# KiCad board PixelWave.kicad_pcb (continued)
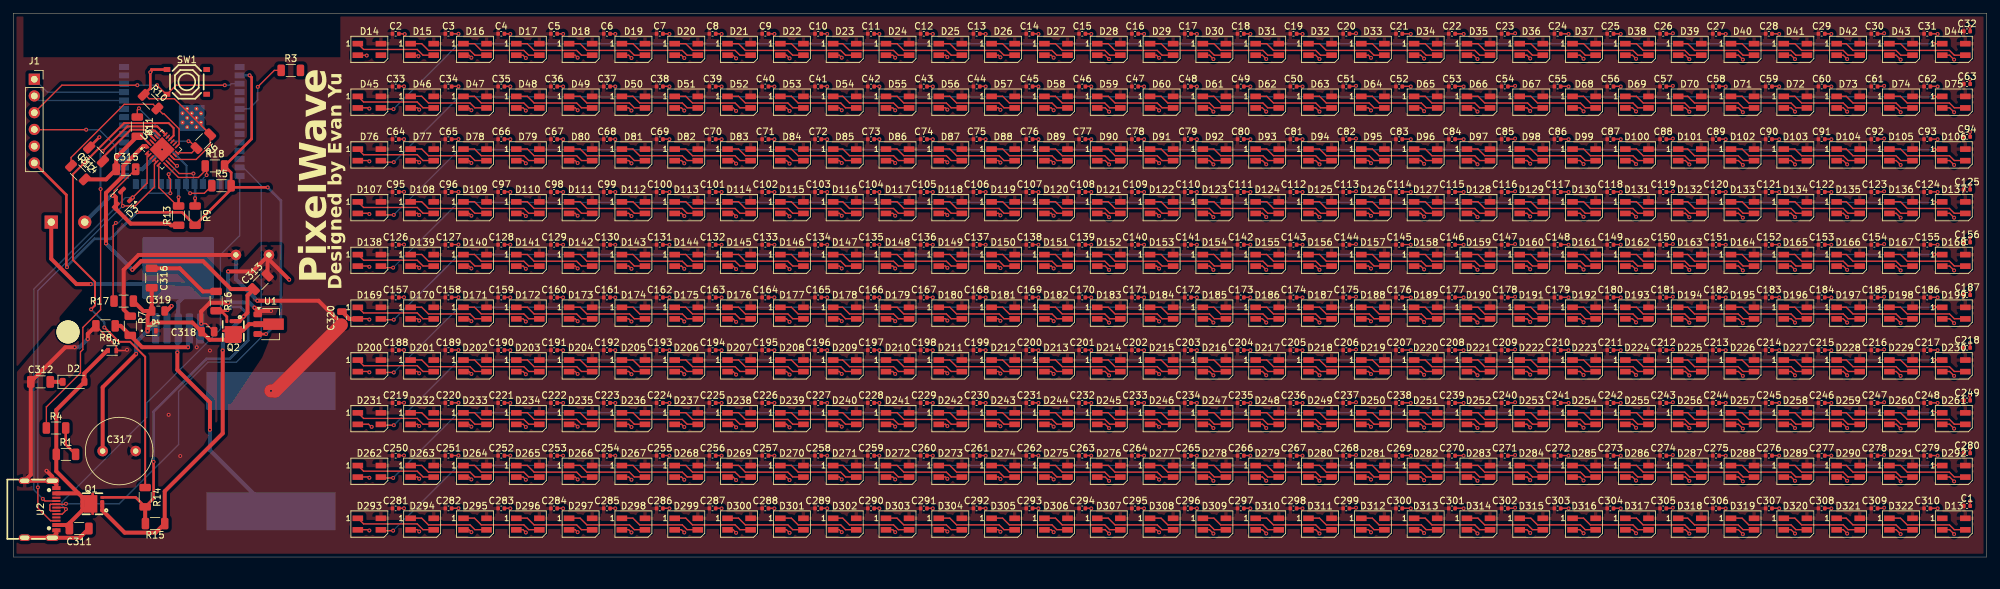
[diagram p0: board, top side]
## Routing (per net, layer and track width the routed paths; a pad name or vN(x,y) marks a point on that pad's centre or on a via; arc(x,y) is an arc through that point)
+2V7: length 14
  Top w0.3: R11.2 19.49,63.82 U5.23
  Top w0.6: R12.2 14.07,57.29 C315.1 15.6,60.62 R11.2
+3V3: length 101.3
  Top w0.4: v1(38.55,56.07) 33.26,56.07 R5.2 ; U1.3 v1(38.3,33.82) ; R5.2 33.01,55.79 R9.2 25.59,52.29 18.84,52.29 v1(18.8,52.32) ; R5.2 33.01,58.32 R18.2 36.11,63.42 36.11,72.76 v1(35.8,73.07) ; v1(8.15,43.98) 8.05,44.07 8.05,54.93 J1.6
  Bottom w0.4: v1(18.8,52.32) 14.75,48.28 12.31,48.28 8.08,44.05 v1(8.15,43.98) ; v1(38.3,33.82) 40.55,36.07 40.55,54.07 v1(38.55,56.07) ; 34.38,73.06 34.38,73.07 v1(35.8,73.07)
+5V: length 62.7
  Top w0.6: C320.1 46.25,38.88 v1(36.99,38.88) ; R7.1 16.74,37.54 16.74,43.57 18.99,45.82 C321.1
  Top w2: 49.69,35.21 39.67,25.2 v1(39.05,25.2)
  Bottom w0.6: v1(36.99,38.88) 33.74,42.13 C321.1
GND: length 999
  Top w0.2: v1(296.4,48.47) 296.43,48.44 296.43,47.77 ; 52.2,12.15 53.83,12.15 v1(53.95,12.02) ; 76.2,60.15 77.23,60.15 v1(77.65,59.73) ; 250.41,63.4 251.32,63.4 v1(251.4,63.47) ; D44.2 293.32,76.12 v1(294,75.45) ; v1(275.4,23.38) 275.38,23.4 274.41,23.4 ; 204.2,52.15 205.28,52.15 v1(205.67,51.75) ; 122.41,47.4 123.27,47.4 v1(123.3,47.37) ; 148.2,12.15 149.23,12.15 v1(149.54,11.84) ; v1(195.3,15.38) 195.28,15.4 194.41,15.4 ; v1(141.5,59.87) 141.23,60.15 140.2,60.15 ; v1(253.89,59.55) 253.29,60.15 252.2,60.15 ; v1(285.9,67.47) 285.23,68.15 284.2,68.15 ; 296.43,7.77 296.43,8.44 v1(296.4,8.47) ; 186.41,63.4 187.38,63.4 v1(187.4,63.37) ; v1(133.6,19.77) 133.23,20.15 132.2,20.15 ; v1(213.72,35.64) 213.2,36.15 212.2,36.15 ; v1(131.2,23.38) 131.18,23.4 130.41,23.4 ; v1(75.3,7.38) 75.27,7.4 74.41,7.4 ; 100.2,36.15 101.23,36.15 v1(101.65,35.73) ; 132.2,60.15 133.23,60.15 v1(133.6,59.77) ; v1(155.3,39.38) 155.27,39.4 154.41,39.4 ; 90.41,55.4 91.17,55.4 v1(91.2,55.37) ; D30.2 181.21,76.12 v1(181.8,75.54) ; 276.2,36.15 277.21,36.15 v1(277.8,35.56) ; 220.2,44.15 221.23,44.15 v1(221.8,43.57) ; v1(117.6,3.67) 117.12,4.15 116.2,4.15 ; 60.2,20.15 61.23,20.15 v1(61.5,19.88) ; 130.41,15.4 131.18,15.4 v1(131.2,15.38) ; 188.2,44.15 189.23,44.15 v1(189.8,43.57) ; 266.41,47.4 267.48,47.4 v1(267.5,47.37) ; v1(294,11.47) 293.32,12.15 292.2,12.15 ; D17.2 77.23,76.12 v1(77.65,75.7) ; D21.2 109.02,76.12 v1(109.5,75.65) ; v1(203.4,47.47) 203.32,47.4 202.41,47.4 ; v1(203.4,15.47) 203.32,15.4 202.41,15.4 ; v1(285.9,27.47) 285.23,28.15 284.2,28.15 ; v1(219.7,79.35) 219.68,79.37 C22.2 ; 274.41,7.4 275.38,7.4 v1(275.4,7.38) ; 228.2,20.15 229.29,20.15 v1(229.79,19.65) ; v1(277.8,67.56) 277.21,68.15 276.2,68.15 ; D20.2 101.23,76.12 v1(101.65,75.7) ; v1(147.3,31.38) 147.27,31.4 146.41,31.4 ; 296.43,23.77 296.43,24.44 v1(296.4,24.47) ; 202.41,31.4 203.32,31.4 v1(203.4,31.47) ; v1(91.2,7.38) 91.17,7.4 90.41,7.4 ; 68.2,28.15 69.02,28.15 v1(69.4,27.77) ; v1(93.65,11.73) 93.23,12.15 92.2,12.15 ; v1(91.2,39.38) 91.17,39.4 90.41,39.4 ; 122.41,39.4 123.27,39.4 v1(123.3,39.38) ; 260.2,4.15 261.32,4.15 v1(262,3.47) ; 236.2,60.15 237.33,60.15 v1(237.87,59.61) ; v1(101.65,11.73) 101.23,12.15 100.2,12.15 ; v1(99.4,31.38) 99.37,31.4 98.41,31.4 ; D39.2 253.29,76.12 v1(253.89,75.53) ; v1(294,35.47) 293.32,36.15 292.2,36.15 ; 76.2,12.15 77.23,12.15 v1(77.65,11.73) ; v1(163.3,15.38) 163.27,15.4 162.41,15.4 ; 122.41,71.4 123.27,71.4 v1(123.3,71.37) ; 180.2,60.15 181.21,60.15 v1(181.8,59.56) ; 266.41,63.4 267.48,63.4 v1(267.5,63.37) ; v1(85.5,27.77) 85.12,28.15 84.2,28.15 ; v1(251.4,55.47) 251.32,55.4 250.41,55.4 ; 132.2,12.15 133.23,12.15 v1(133.6,11.77) ; 276.2,28.15 277.21,28.15 v1(277.8,27.56) ; 276.2,52.15 277.21,52.15 v1(277.8,51.56) ; 82.41,39.4 83.27,39.4 v1(83.3,39.38) ; 116.2,68.15 117.12,68.15 v1(117.6,67.67) ; 124.2,12.15 125.12,12.15 v1(125.5,11.77) ; 148.2,52.15 149.23,52.15 v1(149.54,51.84) ; 100.2,44.15 101.23,44.15 v1(101.65,43.73) ; 132.2,44.15 133.23,44.15 v1(133.6,43.77) ; v1(107.3,7.38) 107.27,7.4 106.41,7.4 ; C7.2 99.37,79.37 v1(99.4,79.35) ; v1(275.4,31.38) 275.38,31.4 274.41,31.4 ; C13.2 147.27,79.37 v1(147.3,79.35) ; v1(53.55,76.07) 53.5,76.12 D14.2 ; 296.43,39.77 296.43,40.44 v1(296.4,40.47) ; v1(195.3,7.38) 195.28,7.4 194.41,7.4 ; 68.2,44.15 69.02,44.15 v1(69.4,43.77) ; v1(99.4,23.38) 99.37,23.4 98.41,23.4 ; v1(203.4,79.45) 203.32,79.37 C20.2 ; 274.41,55.4 275.38,55.4 v1(275.4,55.37) ; v1(243.5,63.37) 243.48,63.4 242.41,63.4 ; v1(173.58,75.73) 173.18,76.12 D29.2 ; v1(125.5,19.77) 125.12,20.15 124.2,20.15 ; 220.2,60.15 221.23,60.15 v1(221.8,59.57) ; v1(229.79,59.65) 229.29,60.15 228.2,60.15 ; C2.2 59.25,79.37 v1(59.3,79.32) ; 210.41,15.4 211.68,15.4 v1(211.7,15.38) ; v1(211.7,23.38) 211.68,23.4 210.41,23.4 ; v1(245.82,11.61) 245.28,12.15 244.2,12.15 ; v1(237.87,75.58) 237.33,76.12 D37.2 ; v1(147.3,55.37) 147.27,55.4 146.41,55.4 ; 84.2,36.15 85.12,36.15 v1(85.5,35.77) ; v1(93.65,3.73) 93.23,4.15 92.2,4.15 ; v1(187.4,39.38) 187.38,39.4 186.41,39.4 ; v1(262,11.47) 261.32,12.15 260.2,12.15 ; v1(77.65,19.73) 77.23,20.15 76.2,20.15 ; 130.41,55.4 131.18,55.4 v1(131.2,55.37) ; C11.2 131.18,79.37 v1(131.2,79.35) ; v1(203.4,7.47) 203.32,7.4 202.41,7.4 ; 90.41,31.4 91.17,31.4 v1(91.2,31.38) ; 132.2,36.15 133.23,36.15 v1(133.6,35.77) ; 52.2,52.15 53.83,52.15 v1(53.95,52.02) ; R10.1 20.02,70.11 20.6,69.52 24.42,69.52 R6.1 ; v1(269.9,43.56) 269.31,44.15 268.2,44.15 ; v1(259.4,23.38) 259.38,23.4 258.41,23.4 ; v1(59.2,39.4) 58.41,39.4 ; v1(253.89,3.55) 253.29,4.15 252.2,4.15 ; 106.41,71.4 107.27,71.4 v1(107.3,71.37) ; v1(221.8,51.57) 221.23,52.15 220.2,52.15 ; 186.41,55.4 187.38,55.4 v1(187.4,55.37) ; v1(285.9,19.47) 285.23,20.15 284.2,20.15 ; 172.2,28.15 173.18,28.15 v1(173.58,27.75) ; v1(109.5,19.67) 109.02,20.15 108.2,20.15 ; v1(117.6,51.67) 117.12,52.15 116.2,52.15 ; v1(163.3,79.35) 163.27,79.37 C15.2 ; 170.41,23.4 171.28,23.4 v1(171.3,23.38) ; 154.41,63.4 155.27,63.4 v1(155.3,63.37) ; C32.2 296.43,80.42 v1(296.4,80.45) ; v1(251.4,47.47) 251.32,47.4 250.41,47.4 ; v1(213.72,27.64) 213.2,28.15 212.2,28.15 ; 132.2,68.15 133.23,68.15 v1(133.6,67.77) ; 268.2,12.15 269.31,12.15 v1(269.9,11.56) ; v1(205.67,27.75) 205.28,28.15 204.2,28.15 ; v1(253.89,43.55) 253.29,44.15 252.2,44.15 ; 274.41,39.4 275.38,39.4 v1(275.4,39.38) ; v1(101.65,19.73) 101.23,20.15 100.2,20.15 ; 186.41,7.4 187.38,7.4 v1(187.4,7.38) ; U5.22 22.2,61.82 v1(22.55,61.82) 22.9,61.82 U5.10 24.42,60.31 27.7,60.31 29.83,62.45 R6.1 ; R6.1 28.52,65.42 28.52,65.91 ; 252.2,12.15 253.29,12.15 v1(253.89,11.55) ; 138.41,55.4 139.27,55.4 v1(139.3,55.37) ; v1(262,51.47) 261.32,52.15 260.2,52.15 ; 244.2,28.15 245.28,28.15 v1(245.82,27.61) ; v1(99.4,55.37) 99.37,55.4 98.41,55.4 ; v1(173.58,43.75) 173.18,44.15 172.2,44.15 ; 106.41,39.4 107.27,39.4 v1(107.3,39.38) ; v1(237.87,67.61) 237.33,68.15 236.2,68.15 ; v1(109.5,67.67) 109.02,68.15 108.2,68.15 ; 290.41,39.4 291.48,39.4 v1(291.5,39.38) ; 68.2,68.15 69.02,68.15 v1(69.4,67.77) ; v1(93.65,51.73) 93.23,52.15 92.2,52.15 ; 68.2,4.15 69.02,4.15 v1(69.4,3.77) ; v1(149.54,67.84) 149.23,68.15 148.2,68.15 ; 172.2,60.15 173.18,60.15 v1(173.58,59.75) ; 84.2,68.15 85.12,68.15 v1(85.5,67.77) ; v1(85.5,3.77) 85.12,4.15 84.2,4.15 ; 90.41,63.4 91.17,63.4 v1(91.2,63.37) ; v1(245.82,35.61) 245.28,36.15 244.2,36.15 ; v1(205.67,3.75) 205.28,4.15 204.2,4.15 ; v1(173.58,3.75) 173.18,4.15 172.2,4.15 ; 290.41,15.4 291.48,15.4 v1(291.5,15.38) ; 116.2,44.15 117.12,44.15 v1(117.6,43.67) ; v1(253.89,35.55) 253.29,36.15 252.2,36.15 ; 178.41,7.4 179.28,7.4 v1(179.3,7.38) ; v1(262,19.47) 261.32,20.15 260.2,20.15 ; v1(141.5,11.88) 141.23,12.15 140.2,12.15 ; 154.41,23.4 155.27,23.4 v1(155.3,23.38) ; 244.2,52.15 245.28,52.15 v1(245.82,51.61) ; 116.2,36.15 117.12,36.15 v1(117.6,35.67) ; 164.2,60.15 165.4,60.15 v1(166,59.56) ; v1(93.65,67.73) 93.23,68.15 92.2,68.15 ; v1(181.8,11.56) 181.21,12.15 180.2,12.15 ; 92.2,20.15 93.23,20.15 v1(93.65,19.73) ; v1(237.87,51.61) 237.33,52.15 236.2,52.15 ; v1(179.3,63.37) 179.28,63.4 178.41,63.4 ; 156.2,12.15 157.23,12.15 v1(157.6,11.78) ; v1(166,11.56) 165.4,12.15 164.2,12.15 ; 276.2,4.15 277.21,4.15 v1(277.8,3.56) ; 154.41,7.4 155.27,7.4 v1(155.3,7.38) ; 196.2,28.15 197.29,28.15 v1(197.87,27.57) ; v1(157.6,43.78) 157.23,44.15 156.2,44.15 ; 228.2,28.15 229.29,28.15 v1(229.79,27.65) ; 180.2,44.15 181.21,44.15 v1(181.8,43.56) ; v1(205.67,59.75) 205.28,60.15 204.2,60.15 ; 146.41,71.4 147.27,71.4 v1(147.3,71.37) ; v1(245.82,75.58) 245.28,76.12 D38.2 ; v1(83.3,7.38) 83.27,7.4 82.41,7.4 ; v1(155.3,71.37) 155.27,71.4 154.41,71.4 ; v1(166,51.56) 165.4,52.15 164.2,52.15 ; 76.2,28.15 77.23,28.15 v1(77.65,27.73) ; 188.2,68.15 189.23,68.15 v1(189.8,67.57) ; v1(181.8,67.56) 181.21,68.15 180.2,68.15 ; v1(139.3,79.35) 139.27,79.37 C12.2 ; v1(227.5,71.47) 227.43,71.4 226.41,71.4 ; v1(157.6,35.78) 157.23,36.15 156.2,36.15 ; 146.41,15.4 147.27,15.4 v1(147.3,15.38) ; C24.2 235.57,79.37 v1(235.6,79.35) ; 180.2,4.15 181.21,4.15 v1(181.8,3.56) ; v1(83.3,15.38) 83.27,15.4 82.41,15.4 ; v1(197.87,75.54) 197.29,76.12 D32.2 ; v1(131.2,7.38) 131.18,7.4 130.41,7.4 ; v1(181.8,51.56) 181.21,52.15 180.2,52.15 ; v1(93.65,43.73) 93.23,44.15 92.2,44.15 ; 276.2,60.15 277.21,60.15 v1(277.8,59.56) ; 156.2,52.15 157.23,52.15 v1(157.6,51.78) ; v1(262,27.47) 261.32,28.15 260.2,28.15 ; 170.41,47.4 171.28,47.4 v1(171.3,47.37) ; 218.41,23.4 219.68,23.4 v1(219.7,23.38) ; v1(139.3,15.38) 139.27,15.4 138.41,15.4 ; v1(275.4,15.38) 275.38,15.4 274.41,15.4 ; 74.41,47.4 75.27,47.4 v1(75.3,47.37) ; v1(77.65,51.73) 77.23,52.15 76.2,52.15 ; 130.41,71.4 131.18,71.4 v1(131.2,71.37) ; 244.2,68.15 245.28,68.15 v1(245.82,67.61) ; v1(93.65,59.73) 93.23,60.15 92.2,60.15 ; v1(125.5,27.77) 125.12,28.15 124.2,28.15 ; 140.2,28.15 141.23,28.15 v1(141.5,27.88) ; v1(93.65,75.7) 93.23,76.12 D19.2 ; v1(163.3,7.38) 163.27,7.4 162.41,7.4 ; v1(166,35.56) 165.4,36.15 164.2,36.15 ; v1(166,67.56) 165.4,68.15 164.2,68.15 ; v1(229.79,67.65) 229.29,68.15 228.2,68.15 ; v1(155.3,15.38) 155.27,15.4 154.41,15.4 ; v1(221.8,75.55) 221.23,76.12 D35.2 ; 188.2,52.15 189.23,52.15 v1(189.8,51.57) ; v1(221.8,27.57) 221.23,28.15 220.2,28.15 ; v1(221.8,11.57) 221.23,12.15 220.2,12.15 ; v1(163.3,71.37) 163.27,71.4 162.41,71.4 ; v1(139.3,23.38) 139.27,23.4 138.41,23.4 ; 92.2,36.15 93.23,36.15 v1(93.65,35.73) ; 290.41,63.4 291.48,63.4 v1(291.5,63.37) ; v1(28.48,35.41) 29.21,35.41 C318.2 ; v1(109.5,11.67) 109.02,12.15 108.2,12.15 ; v1(85.5,19.77) 85.12,20.15 84.2,20.15 ; v1(173.58,51.75) 173.18,52.15 172.2,52.15 ; D42.2 277.21,76.12 v1(277.8,75.54) ; v1(294,3.47) 293.32,4.15 292.2,4.15 ; 52.2,4.15 53.83,4.15 v1(53.95,4.02) ; 196.2,36.15 197.29,36.15 v1(197.87,35.57) ; v1(93.65,27.73) 93.23,28.15 92.2,28.15 ; 226.41,7.4 227.43,7.4 v1(227.5,7.47) ; D40.2 261.32,76.12 v1(262,75.45) ; 68.2,20.15 69.02,20.15 v1(69.4,19.77) ; 146.41,7.4 147.27,7.4 v1(147.3,7.38) ; 164.2,44.15 165.4,44.15 v1(166,43.56) ; v1(115.3,63.37) 115.27,63.4 114.41,63.4 ; D28.2 165.4,76.12 v1(166,75.53) ; 284.2,52.15 285.23,52.15 v1(285.9,51.47) ; D15.2 61.23,76.12 v1(61.38,75.97) ; v1(219.7,63.37) 219.68,63.4 218.41,63.4 ; 170.41,55.4 171.28,55.4 v1(171.3,55.37) ; v1(197.87,11.57) 197.29,12.15 196.2,12.15 ; 170.41,39.4 171.28,39.4 v1(171.3,39.38) ; v1(253.89,67.55) 253.29,68.15 252.2,68.15 ; v1(296.4,16.47) 296.43,16.44 296.43,15.77 ; C26.2 251.32,79.37 v1(251.4,79.45) ; 250.41,15.4 251.32,15.4 v1(251.4,15.47) ; v1(227.5,47.47) 227.43,47.4 226.41,47.4 ; D31.2 189.23,76.12 v1(189.8,75.55) ; 218.41,55.4 219.68,55.4 v1(219.7,55.37) ; 236.2,44.15 237.33,44.15 v1(237.87,43.61) ; v1(195.3,79.35) 195.28,79.37 C19.2 ; v1(253.89,51.55) 253.29,52.15 252.2,52.15 ; v1(227.5,15.47) 227.43,15.4 226.41,15.4 ; v1(275.4,47.37) 275.38,47.4 274.41,47.4 ; v1(107.3,55.37) 107.27,55.4 106.41,55.4 ; v1(59.2,63.4) 58.41,63.4 ; 202.41,63.4 203.32,63.4 v1(203.4,63.47) ; v1(157.6,75.75) 157.23,76.12 D27.2 ; v1(267.5,71.37) 267.48,71.4 266.41,71.4 ; 210.41,71.4 211.68,71.4 v1(211.7,71.37) ; v1(205.67,19.75) 205.28,20.15 204.2,20.15 ; v1(67.45,23.4) 66.41,23.4 ; v1(221.8,3.57) 221.23,4.15 220.2,4.15 ; D23.2 125.12,76.12 v1(125.5,75.75) ; v1(189.8,27.57) 189.23,28.15 188.2,28.15 ; 116.2,28.15 117.12,28.15 v1(117.6,27.67) ; v1(99.4,63.37) 99.37,63.4 98.41,63.4 ; 148.2,28.15 149.23,28.15 v1(149.54,27.84) ; v1(291.5,23.38) 291.48,23.4 290.41,23.4 ; v1(259.4,39.38) 259.38,39.4 258.41,39.4 ; v1(285.9,11.47) 285.23,12.15 284.2,12.15 ; 148.2,20.15 149.23,20.15 v1(149.54,19.84) ; D25.2 141.23,76.12 v1(141.5,75.85) ; v1(179.3,55.37) 179.28,55.4 178.41,55.4 ; 284.2,60.15 285.23,60.15 v1(285.9,59.47) ; 122.41,23.4 123.27,23.4 v1(123.3,23.38) ; v1(141.5,3.88) 141.23,4.15 140.2,4.15 ; v1(285.9,3.47) 285.23,4.15 284.2,4.15 ; v1(54.3,19.75) 54.23,19.75 53.83,20.15 52.2,20.15 ; v1(277.8,11.56) 277.21,12.15 276.2,12.15 ; 186.41,47.4 187.38,47.4 v1(187.4,47.37) ; 106.41,31.4 107.27,31.4 v1(107.3,31.38) ; 296.43,55.77 296.43,56.44 v1(296.4,56.47) ; v1(219.7,39.38) 219.68,39.4 218.41,39.4 ; 180.2,28.15 181.21,28.15 v1(181.8,27.56) ; 234.41,63.4 235.57,63.4 v1(235.6,63.37) ; v1(285.9,43.47) 285.23,44.15 284.2,44.15 ; v1(61.5,27.88) 61.23,28.15 60.2,28.15 ; 138.41,7.4 139.27,7.4 v1(139.3,7.38) ; 276.2,44.15 277.21,44.15 v1(277.8,43.56) ; 74.41,23.4 75.27,23.4 v1(75.3,23.38) ; v1(139.3,63.37) 139.27,63.4 138.41,63.4 ; 178.41,71.4 179.28,71.4 v1(179.3,71.37) ; v1(197.87,19.57) 197.29,20.15 196.2,20.15 ; 242.41,55.4 243.48,55.4 v1(243.5,55.37) ; 242.41,31.4 243.48,31.4 v1(243.5,31.38) ; v1(259.4,79.35) 259.38,79.37 C27.2 ; 98.41,47.4 99.37,47.4 v1(99.4,47.37) ; 132.2,28.15 133.23,28.15 v1(133.6,27.77) ; 210.41,63.4 211.68,63.4 v1(211.7,63.37) ; v1(147.3,47.37) 147.27,47.4 146.41,47.4 ; v1(123.3,63.37) 123.27,63.4 122.41,63.4 ; 114.41,15.4 115.27,15.4 v1(115.3,15.38) ; 194.41,47.4 195.28,47.4 v1(195.3,47.37) ; 130.41,47.4 131.18,47.4 v1(131.2,47.37) ; 52.2,44.15 53.83,44.15 v1(53.95,44.02) ; v1(109.5,27.67) 109.02,28.15 108.2,28.15 ; v1(296.4,72.47) 296.43,72.44 296.43,71.77 ; v1(187.4,79.35) 187.38,79.37 C18.2 ; 218.41,31.4 219.68,31.4 v1(219.7,31.38) ; v1(157.6,67.78) 157.23,68.15 156.2,68.15 ; v1(171.3,31.38) 171.28,31.4 170.41,31.4 ; v1(283.4,79.45) 283.32,79.37 C30.2 ; v1(61.5,3.88) 61.23,4.15 60.2,4.15 ; v1(155.3,55.37) 155.27,55.4 154.41,55.4 ; v1(294,27.47) 293.32,28.15 292.2,28.15 ; v1(107.3,15.38) 107.27,15.4 106.41,15.4 ; v1(61.5,43.88) 61.23,44.15 60.2,44.15 ; 138.41,39.4 139.27,39.4 v1(139.3,39.38) ; v1(237.87,19.61) 237.33,20.15 236.2,20.15 ; 82.41,31.4 83.27,31.4 v1(83.3,31.38) ; v1(115.3,55.37) 115.27,55.4 114.41,55.4 ; 218.41,15.4 219.68,15.4 v1(219.7,15.38) ; v1(203.4,39.47) 203.32,39.4 202.41,39.4 ; v1(253.89,19.55) 253.29,20.15 252.2,20.15 ; v1(18.55,58.82) 15.3,55.57 15.3,54.9 15.37,54.82 v1(15.05,54.82) ; 90.41,23.4 91.17,23.4 v1(91.2,23.38) ; v1(267.5,7.38) 267.48,7.4 266.41,7.4 ; 114.41,7.4 115.27,7.4 v1(115.3,7.38) ; 218.41,7.4 219.68,7.4 v1(219.7,7.38) ; 124.2,52.15 125.12,52.15 v1(125.5,51.77) ; 260.2,68.15 261.32,68.15 v1(262,67.47) ; v1(69.4,51.77) 69.02,52.15 68.2,52.15 ; 234.41,71.4 235.57,71.4 v1(235.6,71.37) ; 74.41,31.4 75.27,31.4 v1(75.3,31.38) ; 132.2,52.15 133.23,52.15 v1(133.6,51.77) ; v1(75.3,15.38) 75.27,15.4 74.41,15.4 ; v1(283.4,7.47) 283.32,7.4 282.41,7.4 ; 108.2,60.15 109.02,60.15 v1(109.5,59.67) ; v1(123.3,7.38) 123.27,7.4 122.41,7.4 ; 156.2,4.15 157.23,4.15 v1(157.6,3.78) ; v1(269.9,59.56) 269.31,60.15 268.2,60.15 ; 212.2,12.15 213.2,12.15 v1(213.72,11.64) ; v1(291.5,31.38) 291.48,31.4 290.41,31.4 ; C14.2 155.27,79.37 v1(155.3,79.35) ; 290.41,55.4 291.48,55.4 v1(291.5,55.37) ; v1(181.8,35.56) 181.21,36.15 180.2,36.15 ; 290.41,47.4 291.48,47.4 v1(291.5,47.37) ; 250.41,71.4 251.32,71.4 v1(251.4,71.47) ; v1(197.87,59.57) 197.29,60.15 196.2,60.15 ; v1(269.9,27.56) 269.31,28.15 268.2,28.15 ; 100.2,60.15 101.23,60.15 v1(101.65,59.73) ; v1(262,59.47) 261.32,60.15 260.2,60.15 ; 204.2,36.15 205.28,36.15 v1(205.67,35.75) ; v1(147.3,63.37) 147.27,63.4 146.41,63.4 ; v1(259.4,31.38) 259.38,31.4 258.41,31.4 ; 148.2,44.15 149.23,44.15 v1(149.54,43.84) ; v1(99.4,39.38) 99.37,39.4 98.41,39.4 ; v1(133.6,3.77) 133.23,4.15 132.2,4.15 ; v1(211.7,79.35) 211.68,79.37 C21.2 ; 154.41,47.4 155.27,47.4 v1(155.3,47.37) ; v1(269.9,19.56) 269.31,20.15 268.2,20.15 ; 234.41,55.4 235.57,55.4 v1(235.6,55.37) ; v1(59.2,71.4) 58.41,71.4 ; v1(237.87,3.61) 237.33,4.15 236.2,4.15 ; 210.41,31.4 211.68,31.4 v1(211.7,31.38) ; 140.2,68.15 141.23,68.15 v1(141.5,67.87) ; 234.41,31.4 235.57,31.4 v1(235.6,31.38) ; v1(171.3,15.38) 171.28,15.4 170.41,15.4 ; 178.41,23.4 179.28,23.4 v1(179.3,23.38) ; v1(283.4,71.47) 283.32,71.4 282.41,71.4 ; v1(77.65,35.73) 77.23,36.15 76.2,36.15 ; 290.41,7.4 291.48,7.4 v1(291.5,7.38) ; v1(163.3,23.38) 163.27,23.4 162.41,23.4 ; v1(245.82,19.61) 245.28,20.15 244.2,20.15 ; C31.2 291.48,79.37 v1(291.5,79.35) ; v1(131.2,39.38) 131.18,39.4 130.41,39.4 ; v1(219.7,71.37) 219.68,71.4 218.41,71.4 ; v1(269.9,75.54) 269.31,76.12 D41.2 ; 90.41,15.4 91.17,15.4 v1(91.2,15.38) ; 116.2,12.15 117.12,12.15 v1(117.6,11.67) ; v1(59.2,47.4) 58.41,47.4 ; 242.41,39.4 243.48,39.4 v1(243.5,39.38) ; v1(115.3,39.38) 115.27,39.4 114.41,39.4 ; v1(109.5,35.67) 109.02,36.15 108.2,36.15 ; v1(69.4,11.77) 69.02,12.15 68.2,12.15 ; 292.2,20.15 293.32,20.15 v1(294,19.47) ; v1(117.6,59.67) 117.12,60.15 116.2,60.15 ; v1(205.67,11.75) 205.28,12.15 204.2,12.15 ; 228.2,12.15 229.29,12.15 v1(229.79,11.65) ; v1(107.3,63.37) 107.27,63.4 106.41,63.4 ; v1(173.58,67.75) 173.18,68.15 172.2,68.15 ; 178.41,39.4 179.28,39.4 v1(179.3,39.38) ; 90.41,47.4 91.17,47.4 v1(91.2,47.37) ; 258.41,47.4 259.38,47.4 v1(259.4,47.37) ; v1(275.4,63.37) 275.38,63.4 274.41,63.4 ; v1(294,67.47) 293.32,68.15 292.2,68.15 ; 218.41,47.4 219.68,47.4 v1(219.7,47.37) ; 178.41,47.4 179.28,47.4 v1(179.3,47.37) ; 106.41,23.4 107.27,23.4 v1(107.3,23.38) ; v1(83.3,63.37) 83.27,63.4 82.41,63.4 ; v1(99.4,7.38) 99.37,7.4 98.41,7.4 ; 226.41,63.4 227.43,63.4 v1(227.5,63.47) ; 74.41,71.4 75.27,71.4 v1(75.3,71.37) ; v1(173.58,11.75) 173.18,12.15 172.2,12.15 ; v1(275.4,79.35) 275.38,79.37 C29.2 ; 100.2,68.15 101.23,68.15 v1(101.65,67.73) ; v1(251.4,39.47) 251.32,39.4 250.41,39.4 ; 242.41,23.4 243.48,23.4 v1(243.5,23.38) ; 100.2,52.15 101.23,52.15 v1(101.65,51.73) ; 220.2,68.15 221.23,68.15 v1(221.8,67.57) ; v1(213.72,3.64) 213.2,4.15 212.2,4.15 ; v1(75.3,55.37) 75.27,55.4 74.41,55.4 ; 68.2,60.15 69.02,60.15 v1(69.4,59.77) ; 266.41,55.4 267.48,55.4 v1(267.5,55.37) ; v1(277.8,19.56) 277.21,20.15 276.2,20.15 ; 162.41,47.4 163.27,47.4 v1(163.3,47.37) ; 228.2,52.15 229.29,52.15 v1(229.79,51.65) ; 202.41,71.4 203.32,71.4 v1(203.4,71.47) ; v1(163.3,39.38) 163.27,39.4 162.41,39.4 ; v1(213.72,75.61) 213.2,76.12 D34.2 ; 90.41,71.4 91.17,71.4 v1(91.2,71.37) ; 82.41,71.4 83.27,71.4 v1(83.3,71.37) ; v1(67.45,63.4) 66.41,63.4 ; D26.2 149.23,76.12 v1(149.54,75.81) ; v1(221.8,35.57) 221.23,36.15 220.2,36.15 ; v1(269.9,35.56) 269.31,36.15 268.2,36.15 ; v1(171.3,63.37) 171.28,63.4 170.41,63.4 ; v1(101.65,27.73) 101.23,28.15 100.2,28.15 ; v1(125.5,3.77) 125.12,4.15 124.2,4.15 ; v1(157.6,27.78) 157.23,28.15 156.2,28.15 ; 282.41,15.4 283.32,15.4 v1(283.4,15.47) ; v1(83.3,47.37) 83.27,47.4 82.41,47.4 ; v1(139.3,31.38) 139.27,31.4 138.41,31.4 ; 292.2,52.15 293.32,52.15 v1(294,51.47) ; 140.2,20.15 141.23,20.15 v1(141.5,19.88) ; v1(211.7,7.38) 211.68,7.4 210.41,7.4 ; v1(173.58,19.75) 173.18,20.15 172.2,20.15 ; 162.41,31.4 163.27,31.4 v1(163.3,31.38) ; 252.2,28.15 253.29,28.15 v1(253.89,27.55) ; v1(213.72,59.64) 213.2,60.15 212.2,60.15 ; v1(59.2,55.4) 58.41,55.4 ; v1(243.5,15.38) 243.48,15.4 242.41,15.4 ; 250.41,23.4 251.32,23.4 v1(251.4,23.47) ; 188.2,12.15 189.23,12.15 v1(189.8,11.57) ; v1(109.5,3.67) 109.02,4.15 108.2,4.15 ; 122.41,55.4 123.27,55.4 v1(123.3,55.37) ; 194.41,23.4 195.28,23.4 v1(195.3,23.38) ; 114.41,47.4 115.27,47.4 v1(115.3,47.37) ; 114.41,23.4 115.27,23.4 v1(115.3,23.38) ; v1(171.3,7.38) 171.28,7.4 170.41,7.4 ; C9.2 115.27,79.37 v1(115.3,79.35) ; v1(67.45,47.4) 66.41,47.4 ; 282.41,23.4 283.32,23.4 v1(283.4,23.47) ; v1(189.8,19.57) 189.23,20.15 188.2,20.15 ; 154.41,31.4 155.27,31.4 v1(155.3,31.38) ; D36.2 229.29,76.12 v1(229.79,75.63) ; v1(131.2,31.38) 131.18,31.4 130.41,31.4 ; 282.41,31.4 283.32,31.4 v1(283.4,31.47) ; v1(117.6,75.65) 117.12,76.12 D22.2 ; v1(85.5,43.77) 85.12,44.15 84.2,44.15 ; 296.43,31.77 296.43,32.44 v1(296.4,32.47) ; 242.41,7.4 243.48,7.4 v1(243.5,7.38) ; v1(123.3,79.35) 123.27,79.37 C10.2 ; v1(237.87,35.61) 237.33,36.15 236.2,36.15 ; 140.2,36.15 141.23,36.15 v1(141.5,35.88) ; v1(115.3,71.37) 115.27,71.4 114.41,71.4 ; v1(296.4,64.47) 296.43,64.44 296.43,63.77 ; 204.2,44.15 205.28,44.15 v1(205.67,43.75) ; 84.2,52.15 85.12,52.15 v1(85.5,51.77) ; v1(117.6,19.67) 117.12,20.15 116.2,20.15 ; v1(163.3,63.37) 163.27,63.4 162.41,63.4 ; 148.2,36.15 149.23,36.15 v1(149.54,35.84) ; v1(131.2,63.37) 131.18,63.4 130.41,63.4 ; v1(205.67,67.75) 205.28,68.15 204.2,68.15 ; v1(147.3,39.38) 147.27,39.4 146.41,39.4 ; C6.2 91.17,79.37 v1(91.2,79.35) ; 266.41,31.4 267.48,31.4 v1(267.5,31.38) ; v1(115.3,31.38) 115.27,31.4 114.41,31.4 ; v1(237.87,27.61) 237.33,28.15 236.2,28.15 ; v1(99.4,15.38) 99.37,15.4 98.41,15.4 ; v1(101.65,3.73) 101.23,4.15 100.2,4.15 ; v1(262,35.47) 261.32,36.15 260.2,36.15 ; 138.41,71.4 139.27,71.4 v1(139.3,71.37) ; 60.2,60.15 61.23,60.15 v1(61.5,59.88) ; 196.2,44.15 197.29,44.15 v1(197.87,43.57) ; v1(195.3,31.38) 195.28,31.4 194.41,31.4 ; 242.41,71.4 243.48,71.4 v1(243.5,71.37) ; v1(283.4,55.47) 283.32,55.4 282.41,55.4 ; 282.41,63.4 283.32,63.4 v1(283.4,63.47) ; 108.2,52.15 109.02,52.15 v1(109.5,51.67) ; v1(267.5,15.38) 267.48,15.4 266.41,15.4 ; 202.41,23.4 203.32,23.4 v1(203.4,23.47) ; 250.41,31.4 251.32,31.4 v1(251.4,31.47) ; 162.41,55.4 163.27,55.4 v1(163.3,55.37) ; 156.2,20.15 157.23,20.15 v1(157.6,19.78) ; 82.41,55.4 83.27,55.4 v1(83.3,55.37) ; v1(85.5,11.77) 85.12,12.15 84.2,12.15 ; 178.41,31.4 179.28,31.4 v1(179.3,31.38) ; 164.2,28.15 165.4,28.15 v1(166,27.56) ; v1(285.9,75.45) 285.23,76.12 D43.2 ; 82.41,23.4 83.27,23.4 v1(83.3,23.38) ; v1(229.79,35.65) 229.29,36.15 228.2,36.15 ; 124.2,44.15 125.12,44.15 v1(125.5,43.77) ; C28.2 267.48,79.37 v1(267.5,79.35) ; v1(125.5,35.77) 125.12,36.15 124.2,36.15 ; 210.41,47.4 211.68,47.4 v1(211.7,47.37) ; 186.41,71.4 187.38,71.4 v1(187.4,71.37) ; D24.2 133.23,76.12 v1(133.6,75.75) ; 106.41,47.4 107.27,47.4 v1(107.3,47.37) ; v1(83.3,79.35) 83.27,79.37 C5.2 ; 172.2,36.15 173.18,36.15 v1(173.58,35.75) ; v1(197.87,51.57) 197.29,52.15 196.2,52.15 ; v1(75.3,79.35) 75.27,79.37 C4.2 ; v1(227.5,55.47) 227.43,55.4 226.41,55.4 ; 138.41,47.4 139.27,47.4 v1(139.3,47.37) ; v1(141.5,51.87) 141.23,52.15 140.2,52.15 ; 52.2,60.15 53.83,60.15 v1(53.95,60.02) ; v1(235.6,7.38) 235.57,7.4 234.41,7.4 ; 196.2,4.15 197.29,4.15 v1(197.87,3.57) ; 76.2,44.15 77.23,44.15 v1(77.65,43.73) ; C17.2 179.28,79.37 v1(179.3,79.35) ; v1(157.6,59.78) 157.23,60.15 156.2,60.15 ; 268.2,52.15 269.31,52.15 v1(269.9,51.56) ; v1(149.54,59.84) 149.23,60.15 148.2,60.15 ; v1(259.4,7.38) 259.38,7.4 258.41,7.4 ; 282.41,39.4 283.32,39.4 v1(283.4,39.47) ; v1(109.5,43.67) 109.02,44.15 108.2,44.15 ; v1(61.5,51.88) 61.23,52.15 60.2,52.15 ; v1(213.72,19.64) 213.2,20.15 212.2,20.15 ; v1(125.5,59.77) 125.12,60.15 124.2,60.15 ; 268.2,68.15 269.31,68.15 v1(269.9,67.56) ; v1(189.8,59.57) 189.23,60.15 188.2,60.15 ; 178.41,15.4 179.28,15.4 v1(179.3,15.38) ; v1(235.6,23.38) 235.57,23.4 234.41,23.4 ; 74.41,39.4 75.27,39.4 v1(75.3,39.38) ; v1(229.79,3.65) 229.29,4.15 228.2,4.15 ; v1(221.8,19.57) 221.23,20.15 220.2,20.15 ; v1(259.4,71.37) 259.38,71.4 258.41,71.4 ; v1(259.4,63.37) 259.38,63.4 258.41,63.4 ; v1(69.4,75.75) 69.02,76.12 D16.2 ; 274.41,71.4 275.38,71.4 v1(275.4,71.37) ; v1(77.65,67.73) 77.23,68.15 76.2,68.15 ; 266.41,23.4 267.48,23.4 v1(267.5,23.38) ; 284.2,36.15 285.23,36.15 v1(285.9,35.47) ; 234.41,47.4 235.57,47.4 v1(235.6,47.37) ; 212.2,44.15 213.2,44.15 v1(213.72,43.64) ; 244.2,44.15 245.28,44.15 v1(245.82,43.61) ; 260.2,44.15 261.32,44.15 v1(262,43.47) ; v1(147.3,23.38) 147.27,23.4 146.41,23.4 ; v1(237.87,11.61) 237.33,12.15 236.2,12.15 ; 234.41,15.4 235.57,15.4 v1(235.6,15.38) ; v1(195.3,63.37) 195.28,63.4 194.41,63.4 ; 180.2,20.15 181.21,20.15 v1(181.8,19.56) ; 60.2,12.15 61.23,12.15 v1(61.5,11.88) ; v1(61.5,35.88) 61.23,36.15 60.2,36.15 ; v1(213.72,67.64) 213.2,68.15 212.2,68.15 ; 234.41,39.4 235.57,39.4 v1(235.6,39.38) ; v1(227.5,79.45) 227.43,79.37 C23.2 ; v1(283.4,47.47) 283.32,47.4 282.41,47.4 ; 266.41,39.4 267.48,39.4 v1(267.5,39.38) ; v1(85.5,59.77) 85.12,60.15 84.2,60.15 ; 122.41,15.4 123.27,15.4 v1(123.3,15.38) ; 52.2,36.15 53.83,36.15 v1(53.95,36.02) ; v1(291.5,71.37) 291.48,71.4 290.41,71.4 ; v1(259.4,55.37) 259.38,55.4 258.41,55.4 ; v1(61.5,67.88) 61.23,68.15 60.2,68.15 ; v1(67.45,7.4) 66.41,7.4 ; 258.41,15.4 259.38,15.4 v1(259.4,15.38) ; v1(195.3,55.37) 195.28,55.4 194.41,55.4 ; v1(125.5,67.77) 125.12,68.15 124.2,68.15 ; v1(67.45,39.4) 66.41,39.4 ; C25.2 243.48,79.37 v1(243.5,79.35) ; 186.41,23.4 187.38,23.4 v1(187.4,23.38) ; v1(187.4,31.38) 187.38,31.4 186.41,31.4 ; v1(227.5,39.47) 227.43,39.4 226.41,39.4 ; v1(67.45,31.4) 66.41,31.4 ; v1(229.79,43.65) 229.29,44.15 228.2,44.15 ; D18.2 85.12,76.12 v1(85.5,75.75) ; v1(211.7,55.37) 211.68,55.4 210.41,55.4 ; C16.2 171.28,79.37 v1(171.3,79.35) ; v1(166,19.56) 165.4,20.15 164.2,20.15 ; v1(59.2,23.4) 58.41,23.4 ; v1(294,43.47) 293.32,44.15 292.2,44.15 ; v1(67.45,55.4) 66.41,55.4 ; 210.41,39.4 211.68,39.4 v1(211.7,39.38) ; v1(269.9,3.56) 269.31,4.15 268.2,4.15 ; v1(77.65,3.73) 77.23,4.15 76.2,4.15 ; 212.2,52.15 213.2,52.15 v1(213.72,51.64) ; v1(149.54,3.84) 149.23,4.15 148.2,4.15 ; 52.2,28.15 53.83,28.15 v1(53.95,28.02) ; v1(243.5,47.37) 243.48,47.4 242.41,47.4 ; v1(59.2,7.4) 58.41,7.4 ; 140.2,44.15 141.23,44.15 v1(141.5,43.87) ; 202.41,55.4 203.32,55.4 v1(203.4,55.47) ; 188.2,36.15 189.23,36.15 v1(189.8,35.57) ; v1(166,3.56) 165.4,4.15 164.2,4.15 ; v1(245.82,3.61) 245.28,4.15 244.2,4.15 ; v1(123.3,31.38) 123.27,31.4 122.41,31.4 ; 250.41,7.4 251.32,7.4 v1(251.4,7.47) ; 188.2,4.15 189.23,4.15 v1(189.8,3.57) ; v1(107.3,79.35) 107.27,79.37 C8.2 ; v1(69.4,35.77) 69.02,36.15 68.2,36.15 ; 292.2,60.15 293.32,60.15 v1(294,59.47) ; 244.2,60.15 245.28,60.15 v1(245.82,59.61) ; v1(227.5,23.47) 227.43,23.4 226.41,23.4 ; v1(187.4,15.38) 187.38,15.4 186.41,15.4 ; v1(197.87,67.57) 197.29,68.15 196.2,68.15 ; v1(53.95,68.02) 53.83,68.15 52.2,68.15 ; R8.2 15.61,31.99 D1.A 17.13,31.32 v1(17.24,31.44) ; 194.41,39.4 195.28,39.4 v1(195.3,39.38) ; 98.41,71.4 99.37,71.4 v1(99.4,71.37) ; v1(67.45,71.4) 66.41,71.4 ; v1(75.3,63.37) 75.27,63.4 74.41,63.4 ; v1(59.2,15.4) 58.41,15.4 ; v1(59.2,31.4) 58.41,31.4 ; v1(67.45,79.37) C3.2 ; v1(227.5,31.47) 227.43,31.4 226.41,31.4 ; v1(67.45,15.4) 66.41,15.4 ; 194.41,71.4 195.28,71.4 v1(195.3,71.37) ; v1(171.3,71.37) 171.28,71.4 170.41,71.4 ; D33.2 205.28,76.12 v1(205.67,75.73)
  Top w0.4: C314.2 11.51,62.14 v1(13.05,63.68) ; SW1.1 20.92,73.95 20.92,73.7 v1(20.77,73.54) 20.77,71.11 R10.1
  Top w0.6: v1(36.55,37.82) 37.04,37.34 U1.1 37.54,37.32 v1(39.05,37.32) ; v1(41.8,42.07) 38.74,45.14 C321.2 ; C313.2 38.53,45.62 C321.2 ; U2.1 5.92,12.21 v1(5.05,13.07) ; U2.1 5.99,11.57 6.54,11.02 6.54,10.46 ; U2.1 U2.4 2.66,12.5 C312.1 7.91,31.82 v1(9.3,31.82) ; C311.2 10.06,2.92 5.93,2.92 U2.2 ; v1(15.05,54.82) 15.3,54.82 15.55,54.57 15.55,52.82 ; v1(32.55,38.57) 29.8,38.57 28.48,37.26 v1(28.48,35.41) ; C321.2 36.24,43.32 v1(32.55,43.32) ; 15.55,52.82 D3.3 ; 15.55,52.82 17.8,50.57 v1(23.05,50.57) 23.66,50.57 23.91,50.32 R13.2 ; C320.2 50.9,36.12 D169.2 ; U2.2 6.54,3.55 U2.B1A12 ; U2.2 U2.3 ; R8.2 11.3,33.85 v1(11.3,33.07)
  Bottom w0.2: v1(27.8,31.82) 27.8,34.09 U4.1
  Bottom w0.6: v1(22.55,61.82) 19.55,58.82 v1(18.55,58.82) ; v1(9.3,31.82) 10.05,31.82 v1(11.3,33.07) ; v1(15.05,54.82) 14.86,54.82 D5.2 ; v1(36.55,37.82) 35.74,38.64 32.61,38.64 v1(32.55,38.57) v1(32.55,43.32)
  vias: v1(23.55,21.57) v1(25.3,15.32) v1(29.8,31.32)
VBUS: length 41.6
  Top w0.6: U2.B4A9 7.98,4.85 C311.1 8.51,5.12 Q1.8 ; Q1.8 Q1.5 ; Q1.8 10.77,7.1 Q1.9 10.75,9.05 Q1.5 ; D1.C 14.24,31.32 10.79,27.88 D2.2 6.52,22.31 R1.1 6.52,13.01 9.88,9.66 ; Q1.5 9.88,9.66 ; U2.A4B9 9.88,9.66
/ALERT: length 16.9
  Top w0.2: v1(26.8,55.18) 28.95,55.18 R5.1
  Top w0.3: v1(21.05,64.67) 21.47,64.67 U5.19
  Bottom w0.2: 26.26,56.57 26.26,55.72 v1(26.8,55.18)
  Bottom w0.3: v1(21.05,64.67) 21.05,64.57 26.26,59.36 26.26,56.57
/C_Vsnk: length 52.8
  Top w0.6: C316.2 20.99,37.38 C319.1 ; R17.1 19.7,37.32 C319.1 ; C317.1 13.55,25.75 v1(18.62,30.82) ; C319.1 20.36,36.65 v1(20.36,34.32) 20.36,34.75 21.19,35.57 27.15,35.57 C318.1 29.76,32.96 32.28,32.96 Q2.9 ; U1.2 35.74,35.32 Q2.9 ; Q2.5 Q2.8
  Bottom w0.6: U4.5 20.71,34.67 v1(20.36,34.32) 18.62,32.58 v1(18.62,30.82)
/EN: length 34.1
  Top w0.2: v1(32.05,71.57) 24.67,71.57 SW1.3 23.17,70.2 v1(21.8,71.57) ; v1(18.8,71.57) 7.37,71.57 J1.3
  Bottom w0.2: 34.38,71.79 33.02,71.79 32.8,71.57 v1(32.05,71.57) ; v1(21.8,71.57) v1(18.8,71.57)
/I2C_SCL: length 11
  Top w0.2: v1(29.3,57.93) 29.3,59.11 R18.1 29.09,58.61 28.05,57.57 25.03,57.57 U5.7
  Bottom w0.2: v1(29.3,57.93) 28.8,57.43 28.8,56.57
/I2C_SDA: length 9.6
  Top w0.2: U5.8 25.14,58.17 v1(27.3,58.17)
  Top w0.4: 27.55,53.25 v1(27.55,54.43)
  Bottom w0.2: 27.53,56.57 27.3,56.8 v1(27.3,58.17)
  Bottom w0.4: 27.53,56.57 27.55,56.55 v1(27.55,54.43)
/IO0: length 18.7
  Top w0.2: J1.4 3.24,64.82 v1(11.05,64.82)
  Bottom w0.2: v1(11.05,64.82) 13.05,64.82 15.55,62.32 15.55,58.54 16.27,57.82 U3.27
/LED: length 9.9
  Top w0.2: v1(37.05,71.32) 39.55,73.82 R3.1
  Bottom w0.2: U3.6 35.71,67.98 37.05,69.32 v1(37.05,71.32)
/RESET: length 11
  Top w0.2: 25.05,53.25 24.88,53.25 22.05,56.08 U5.6
  Top w0.4: 25.05,53.25 v1(25.05,54.57)
  Bottom w0.4: 24.99,56.57 25.05,56.51 v1(25.05,54.57)
/RX: length 13.9
  Bottom w0.2: U3.36 3.89,69.25 J1.2
/TX: length 14.4
  Bottom w0.2: U3.37 5.16,70.52 J1.1
/USB_DM: length 77.1
  Top w0.2: U2.A7 5.67,7 5.55,7.12 5.55,7.89 5.67,8 U2.B7 7.92,8 v1(7.99,8.07)
  Bottom w0.2: U3.13 34.83,59.09 37.59,56.34 37.59,33.32 33.84,29.57 29.51,29.57 25.05,25.12 25.05,17.07 16.05,8.07 v1(7.99,8.07) ; 34.91,59.09 34.38,59.09
/USB_DP: length 65.4
  Top w0.2: U2.B6 7.42,6.5 7.99,7.07 v1(7.99,7.27) 7.76,7.5 U2.A6
  Bottom w0.2: v1(7.99,7.27) 7.94,7.27 7.39,7.83 7.39,8.32 20.24,21.17 20.24,23.39 31.39,34.54 31.39,45.83 34.3,48.75 U3.14
Net-(C316-Pad1): length 11.2
  Top w0.6: C316.1 25.22,43.8 28.74,40.29 R16.1
Net-(D2-K): length 1.9
  Top w0.6: D2.1 C312.2
Net-(D5-K): length 65.1
  Top w0.6: v1(11.74,41.4) 9.59,41.4 5.76,45.23 D5.1 ; v1(29.8,19.32) 29.8,23.46 24.86,28.4 v1(24.86,31.02)
  Bottom w0.6: v1(11.74,41.4) U4.3 ; L1.1 29.8,16.2 v1(29.8,19.32) ; v1(24.86,31.02) 24.86,34.55 U4.3 24.99,38.62 U4.3
Net-(D13-DIN): length 12.2
  Top w0.2: 295.7,4.15 294.03,4.15 293.3,4.88 286.9,4.88 285.87,5.9 284.2,5.9
Net-(D14-DOUT): length 12.2
  Top w0.2: D14.1 53.08,77 61.2,77 62.08,76.12 D15.3
Net-(D15-DOUT): length 12.2
  Top w0.2: D16.3 69.93,76.12 69.2,76.85 62.9,76.85 61.87,77.87 D15.1
Net-(D16-DOUT): length 12.2
  Top w0.2: D16.1 69.87,77.87 70.9,76.85 77.35,76.85 78.08,76.12 D17.3
Net-(D17-DOUT): length 12.2
  Top w0.2: D17.1 77.87,77.87 78.9,76.85 85.35,76.85 86.08,76.12 D18.3
